# Altium PCB Elevator.PcbDoc (part 1 of 2)
Units mil, origin at the board's own origin, x right, y up, seen from the top; angles counter-clockwise.
Board outline 4620 x 3858.74 mil, 4 copper layers (Top Layer, Internal Plane 1, Internal Plane 2, Bottom Layer), stack 18.2 mil thick; 194 components, 131 nets, 591 pads, 75 vias.
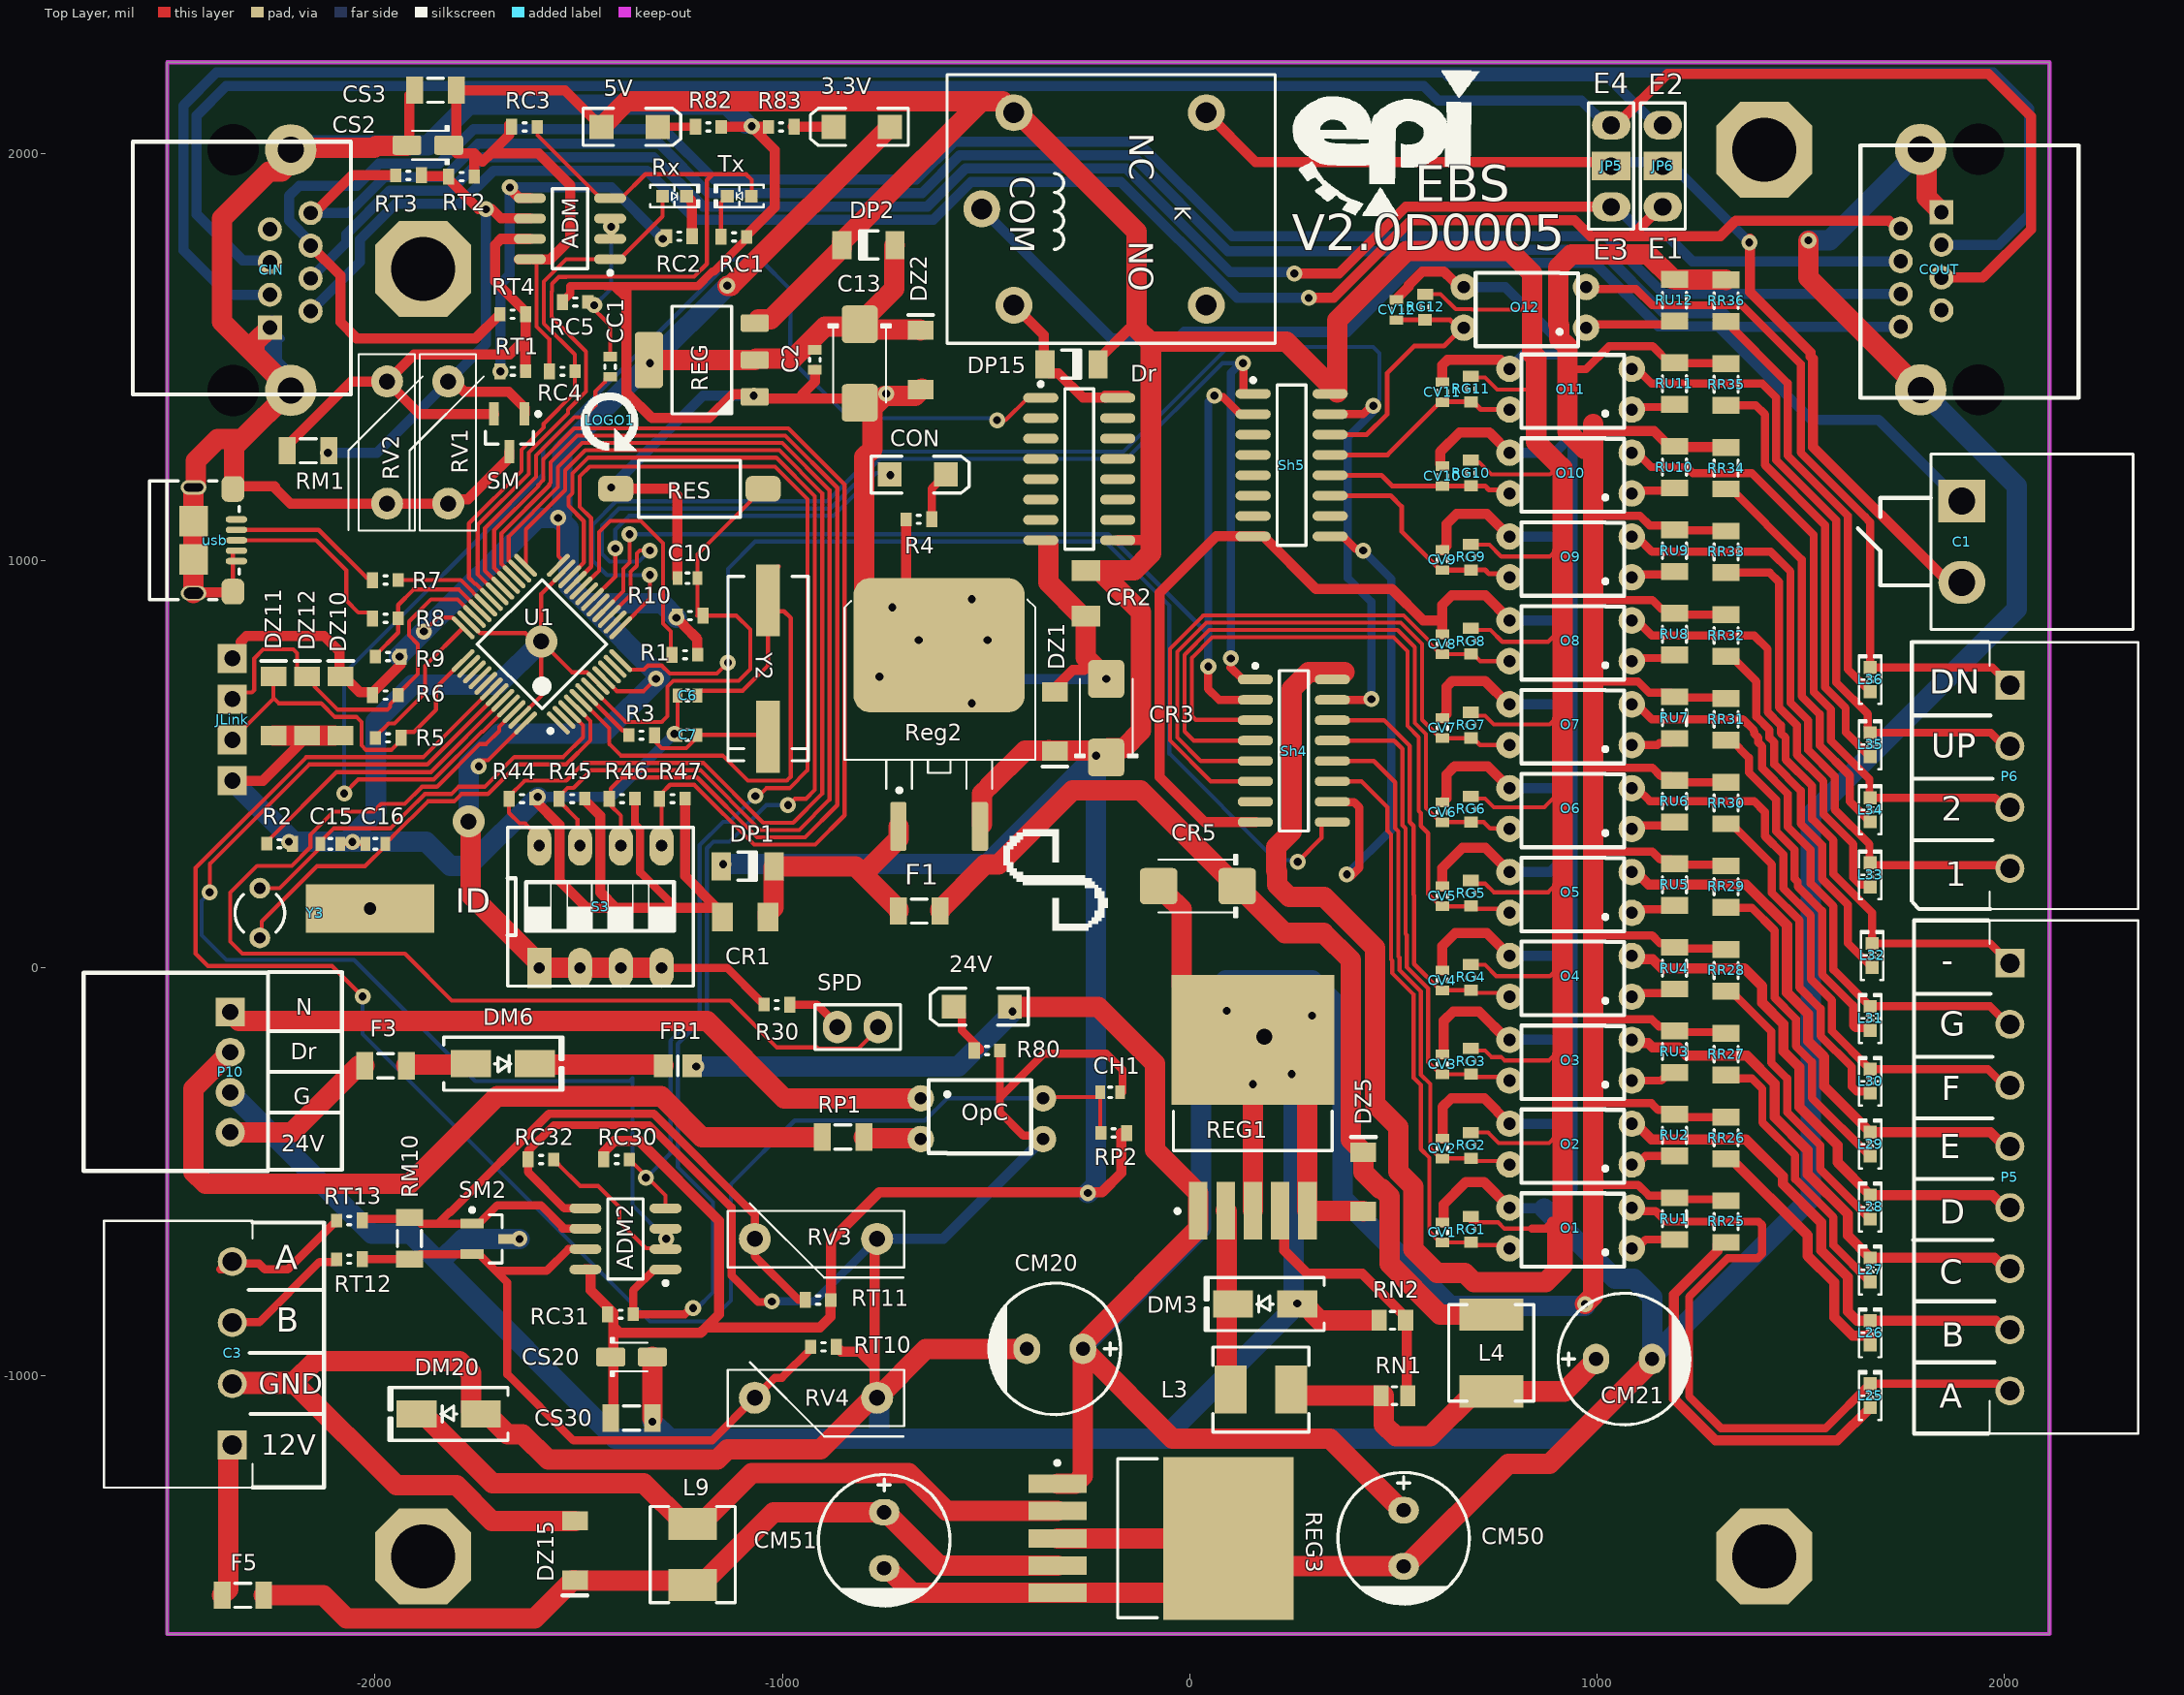
[diagram p0: Top Layer view]
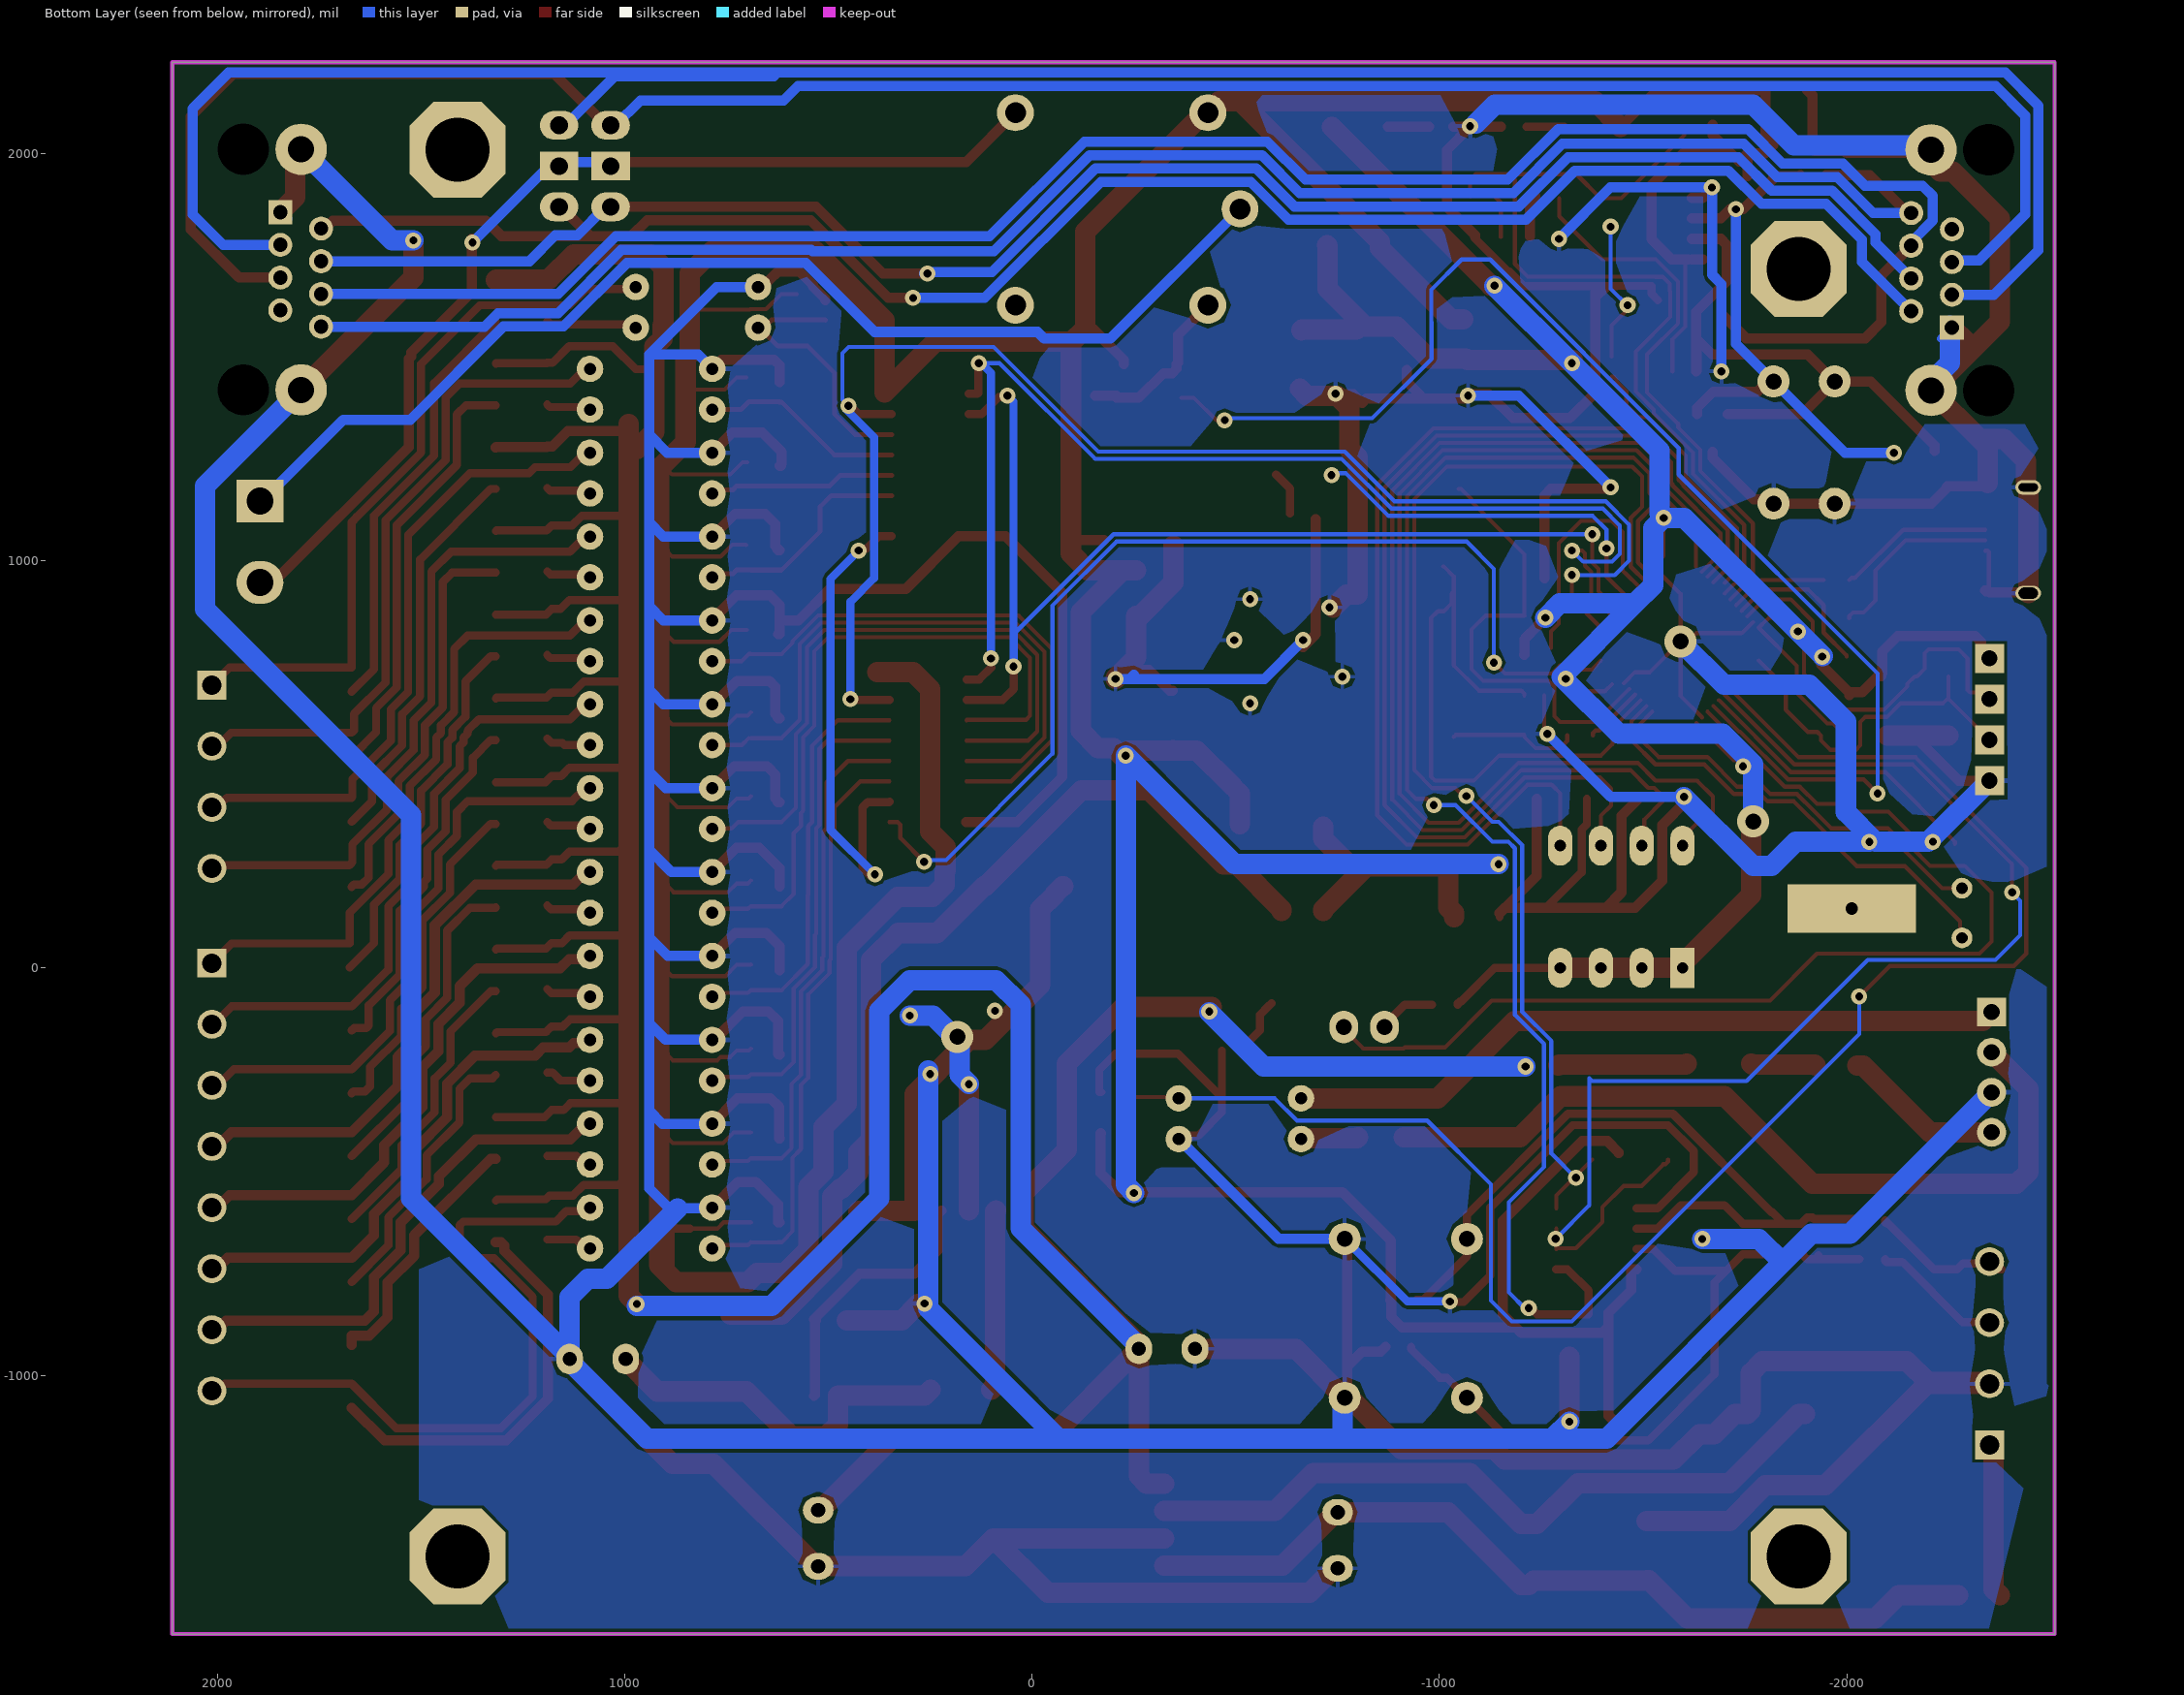
[diagram p1: Bottom Layer view, seen from below]
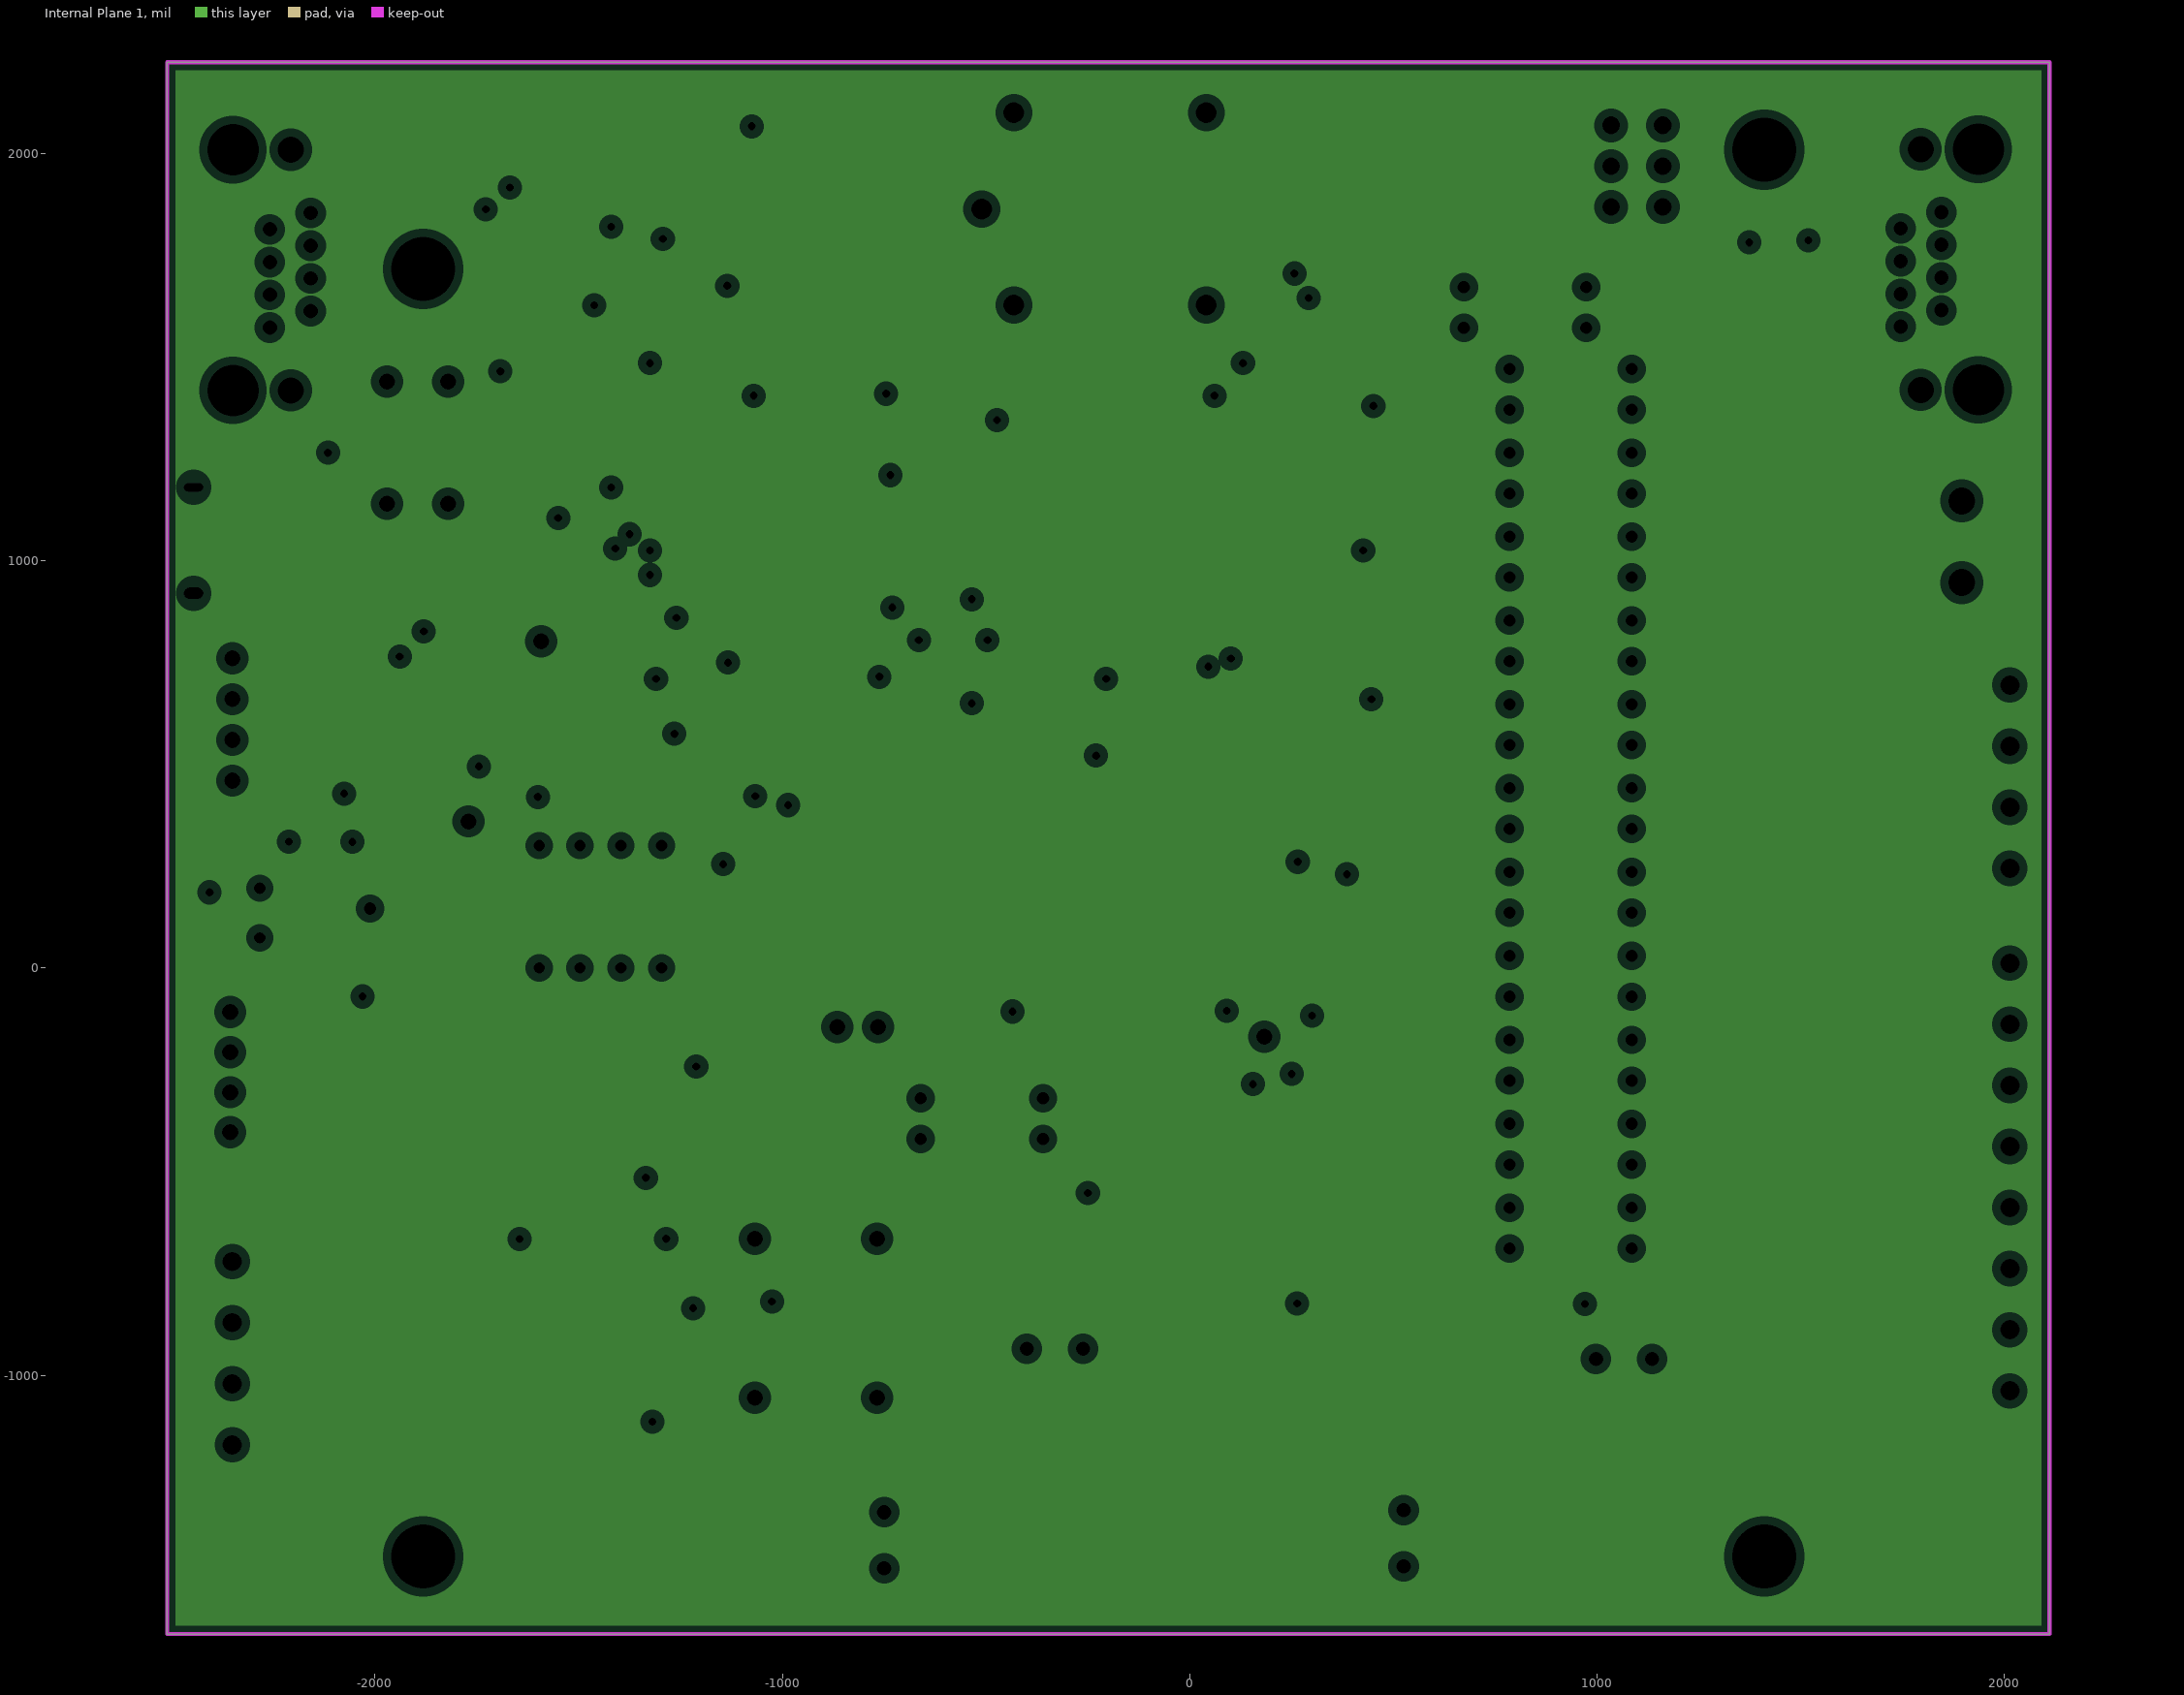
[diagram p2: Internal Plane 1, clearances drawn from the general rule]
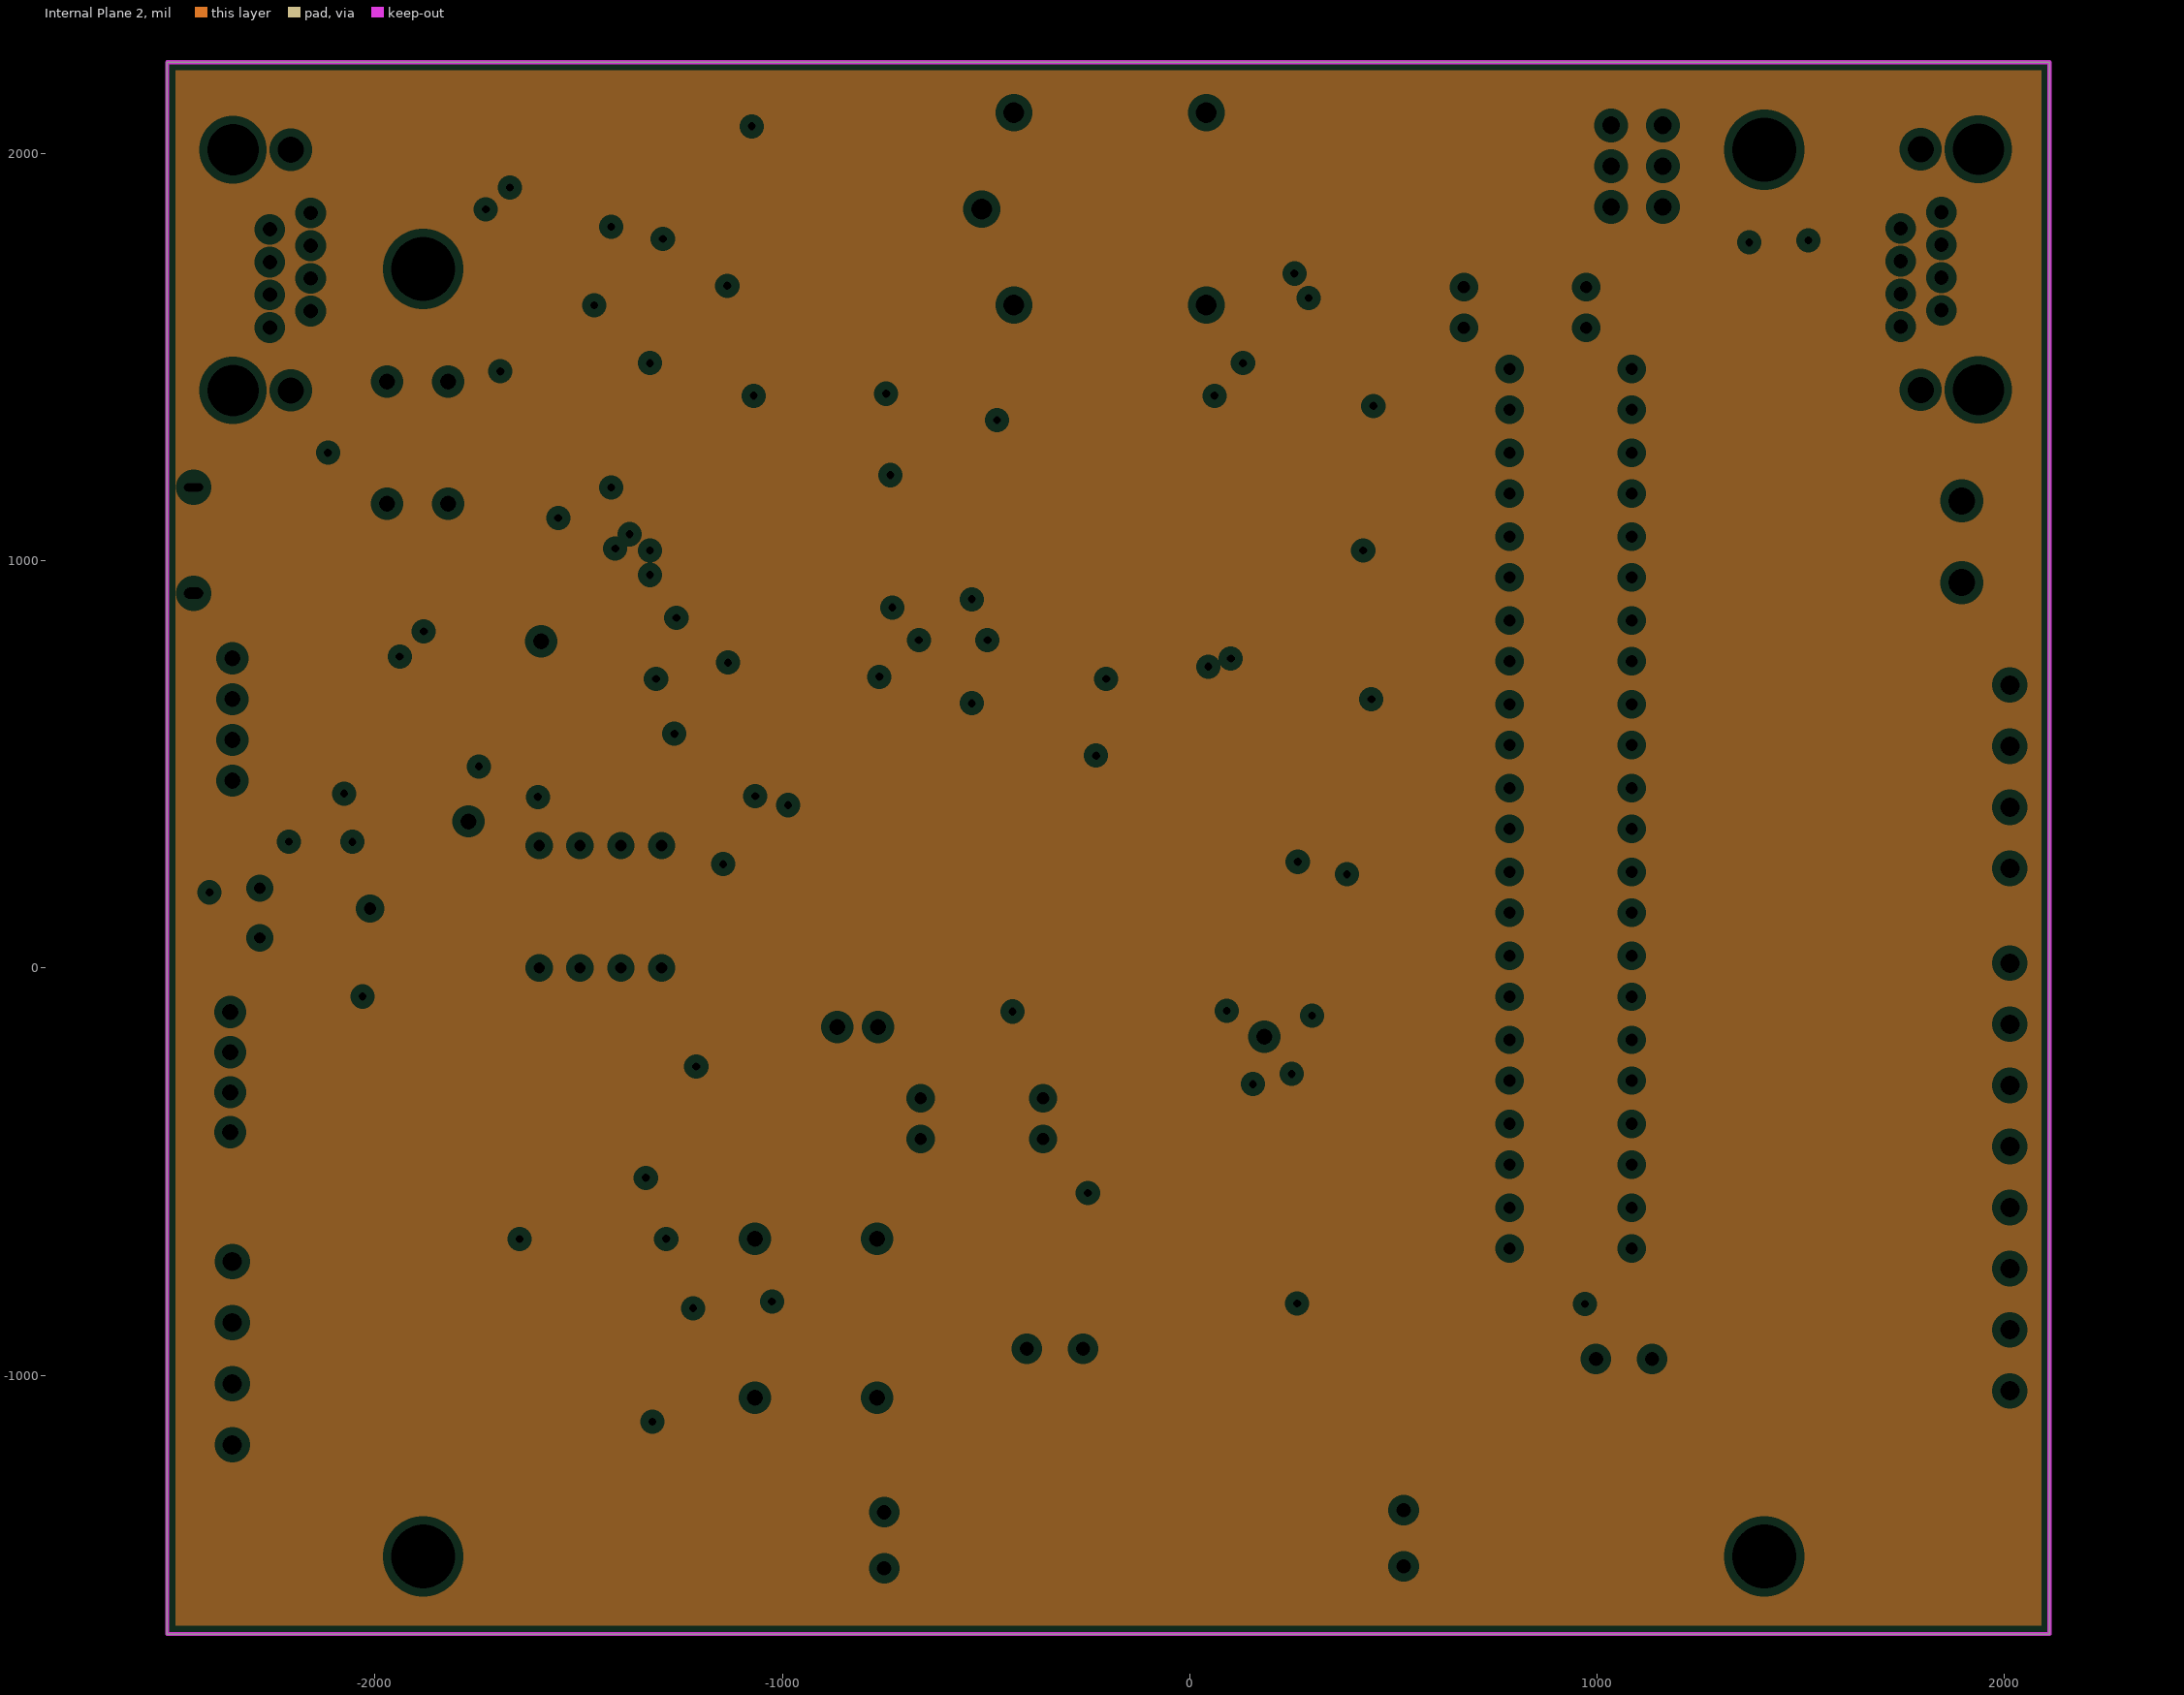
[diagram p3: Internal Plane 2, clearances drawn from the general rule]

## Layer stack, top to bottom
Top Solder: solder mask 0.4, Solder Resist, Dk 3.5
Top Layer: signal copper 1.4
Internal Plane 1: plane copper 1.4
Internal Plane 2: plane copper 1.4
Dielectric 1: dielectric 12.6, FR-4, Dk 4.8
Bottom Layer: signal copper 1.4
Bottom Solder: solder mask 0.4, Solder Resist, Dk 3.5

## Board outline
-2510,-1635 -2510,2223.74 2110,2223.74 2110,-1635

## Design rules (kind name [scope] priority, off if disabled: settings)
Clearance [All] p1: gap=7.87 ignorepadtopadclearanceinfootprint=FALSE except(0: Arc-Hole Track-Hole SMDPad-Hole THPad-Hole Via-Hole Fill-Hole Poly-Hole Region-Hole Text-Hole)
HoleSize [All] p1: absolutevalues=TRUE maxlimit=200 minlimit=1 maxpercent=80.000 minpercent=20.000
MinimumSolderMaskSliver [All] p1 off: minsoldermaskwidth=10
PlaneClearance [All] p1: clearance=20
PlaneConnect [All] p1: planeconnectstyle=Relief reliefexpansion=20 reliefentries=4 reliefconductorwidth=10 reliefairgap=10
PolygonConnect [All] p1: connectstyle=Relief reliefconductorwidth=10 reliefentries=4 polygonreliefangle="90 Angle" airgapwidth=10
RoomDefinition "Power 8V" [InComponentClass('Power 8V')] p1: confinementstyle=ConfineOut formatcopy=TRUE lockcomponents=FALSE outline -7440,-8043.74 -5440,-8043.74 -5440,-7043.74 -7440,-7043.74
RoomDefinition "Communication Cabin" [InComponentClass('Communication Cabin')] p2: confinementstyle=ConfineOut formatcopy=TRUE lockcomponents=FALSE outline 4780,3255 8625,3255 8625,3805 4780,3805
RoomDefinition "Power 5V" [InComponentClass('Power 5V')] p3: confinementstyle=ConfineOut formatcopy=TRUE lockcomponents=FALSE outline 2820.55,3875 2285,3875 2285,3205 2820.55,3205
RoomDefinition "Power 3.3V" [InComponentClass('Power 3.3V')] p4: confinementstyle=ConfineOut formatcopy=TRUE lockcomponents=FALSE outline -3865,3460 -3865,2195 -2795,2195 -2795,3460
RoomDefinition "Mosfet Input" [InComponentClass('Mosfet Input')] p5: confinementstyle=ConfineOut formatcopy=TRUE lockcomponents=FALSE outline 4345,-1756.26 7085,-1756.26 7085,-441.26 4345,-441.26
RoomDefinition MCU [InComponentClass('MCU')] p6: confinementstyle=ConfineOut formatcopy=TRUE lockcomponents=FALSE outline -145,2255 -145,2665 -2330.5,2665 -2330.5,2255
RoomDefinition "Input Connector" [InComponentClass('Input Connector')] p7: confinementstyle=ConfineOut formatcopy=TRUE lockcomponents=FALSE outline 3400,2450 4565,2450 4565,3570 3400,3570
RoomDefinition "Data Input Memory" [InComponentClass('Data Input Memory')] p8: confinementstyle=ConfineOut formatcopy=TRUE lockcomponents=FALSE outline 7255,1415 8190,1415 8190,1855 7255,1855
RoomDefinition Config [InComponentClass('Config')] p9: confinementstyle=ConfineOut formatcopy=TRUE lockcomponents=FALSE outline -2305,2885 -410,2885 -410,4500 -2305,4500
RoomDefinition "Communication Elevator" [InComponentClass('Communication Elevator')] p10: confinementstyle=ConfineOut formatcopy=TRUE lockcomponents=FALSE outline -3755,1195 -2865,1195 -2865,1965 -3755,1965
RoutingVias [All] p1: holewidth=23.62 width=39.37 viastyle="Through Hole" minholewidth=19.68 minwidth=30 maxholewidth=43.31 maxwidth=82.68
SilkToBoardRegionClearance [All] p1 off:
SilkToSolderMaskClearance [IsPad] p1 off: minsilkscreentomaskgap=1 clearancetoexposedcopper=TRUE
SolderMaskExpansion [All] p1: expansion=4
Width [All] p1: maxlimit=100 minlimit=10 preferedwidth=10 minimp=50.000000 maximp=50.000000 favimp=50.000000
24 further rules are at their usual default settings.

## Classes and differential pairs
component class "Power 8V": CM20 CM21 CR5 DM3 DZ5 F1 L3 L4 REG1 RN1 RN2
component class "Communication Cabin": ADM2 CM50 CM51 CS20 CS30 DM20 DZ15 F5 L9 RC30 RC31 RC32 REG3 RM10 RT10 RT11 RT12 RT13 RV3 RV4 SM2
component class "Power 3.3V": 3.3V C2 C13 DP2 DZ2 R83 REG
component class "Mosfet Input": CV1 CV2 CV3 CV4 CV5 CV6 CV7 CV8 CV9 CV10 CV11 CV12 L25 L26 L27 L28 L29 L30 L31 L32 L33 L34 L35 L36 O1 O2 O3 O4 O5 O6 O7 O8 O9 O10 O11 O12 RG1 RG2 RG3 RG4 RG5 RG6 RG7 RG8 RG9 RG10 RG11 RG12 RR25 RR26 RR27 RR28 RR29 RR30 RR31 RR32 RR33 RR34 RR35 RR36 RU1 RU2 RU3 RU4 RU5 RU6 RU7 RU8 RU9 RU10 RU11 RU12
component class MCU: C1 C6 C7 C10 C15 C16 CON DP15 Dr DZ10 DZ11 DZ12 JLink JP5 JP6 K LOGO1 R1 R2 R3 R4 R5 R6 R7 R8 R9 R10 R30 RES SPD U1 usb Y2 Y3
component class "Input Connector": 24V C3 CH1 CIN COUT DM6 F3 FB1 OpC P5 P6 P10 R80 RP1 RP2
component class "Data Input Memory": Sh4 Sh5
component class "Communication Elevator": ADM CC1 CS2 CS3 RC1 RC2 RC3 RC4 RC5 RM1 RT1 RT2 RT3 RT4 RV1 RV2 Rx SM Tx
component class Config: R44 R45 R46 R47 S3
component class "Power 5V": 5V CR1 CR2 CR3 DP1 DZ1 R82 Reg2

## Components (designator, comment, footprint, x,y, rotation, side; value= is the part's Value field where it differs from the comment)
3.3V "GREEN" "LED SMD 1206" -805,2065 r180 top
5V "RED" "LED SMD 1206" -1375,2065 r0 top
24V "RED" "LED SMD 1206" -510.37,-95 r180 top
ADM "ADM485" SO8_NARROW_N -1521.03,1815 r180 top
ADM2 "ADM485" SO8_NARROW_N -1385,-665 r180 top
C1 "Header 2" "phonix 2pin right 5.08" 1895,1046.5 r0 top
C2 "100nF" SMD_CAP_0603 -920,1493.12 r90 top
C3 "XH4MR" "phonix 4pin right 3.81" -2350,-1170.67 r180 top
C6 "20pF" SMD_CAP_0603 -1232.81,668.83 r180 top
C7 "20pF" SMD_CAP_0603 -1232.81,572.3 r180 top
C10 "1uF" SMD_CAP_0603 -1232.81,957 r180 top
C13 "100uF" CAPMP6032X280N -810,1484 r270 top
C15 "1uF" SMD_CAP_0603 -2109.18,304.77 r0 top
C16 "10pF" SMD_CAP_0603 -1998.84,304.77 r0 top
CC1 "1nF" SMD_CAP_0603 -1422.61,1476.09 r90 top
CH1 "1uF" SMD_CAP_0603 -195,-305 r180 top
CIN "CN_MODJACK_8P" "CN_RJ45_TYCO_ DY122-8P8C-G" -2348.3,2008.7 r270 top
CM20 "100uF" "cap 03" -331.1,-935 r0 top
CM21 "2000uF" "cap 03" 1065.98,-960 r180 top
CM50 "100uF" "cap 03" 525,-1400 r90 top
CM51 "1000uF" "cap 03" -750,-1405 r90 top
CON "RED" "LED SMD 1206" -667.55,1211.48 r0 top